# KiCad board pcb.kicad_pcb (continued)
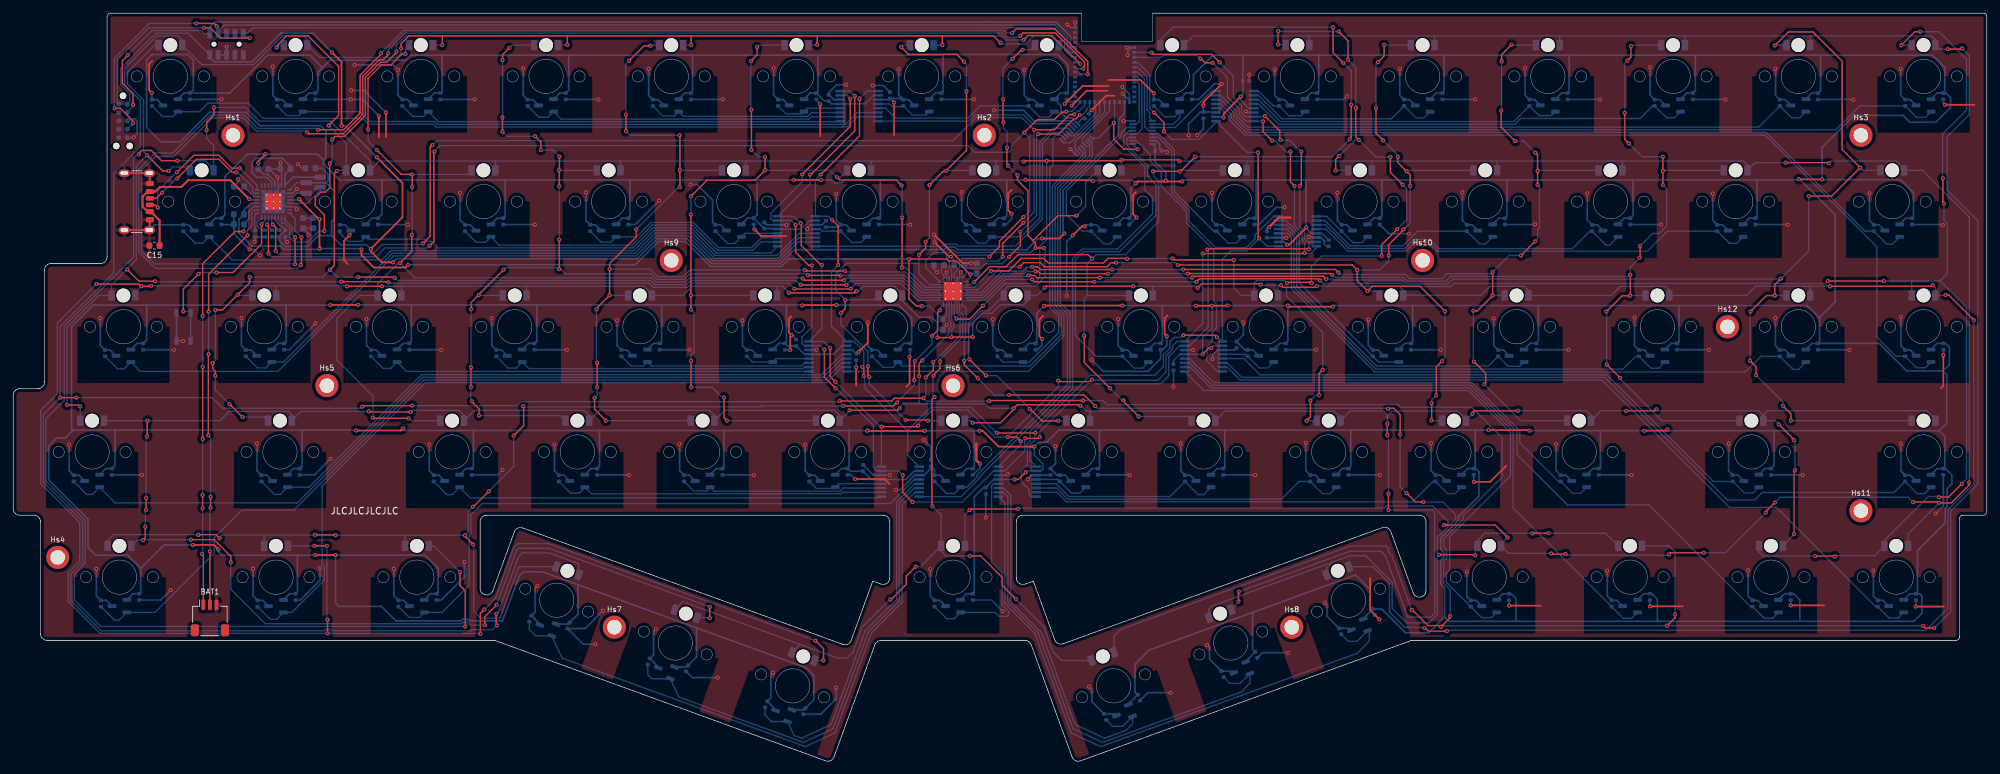
[diagram p0: board, top side]
## Routing (per net, layer and track width the routed paths; a pad name or vN(x,y) marks a point on that pad's centre or on a via; arc(x,y) is an arc through that point) (continued)
/NRESET: length 160.4
  Top w0.2: v1(28.94,111.25) 29.94,111.25 31.48,109.71 v1(35.91,109.71)
  Bottom w0.2: v1(35.91,109.71) 35.58,109.71 JTAG1.10 35.48,110.38 36.35,111.25 147.07,111.25 147.07,111.26 148.07,111.26 148.07,111.25 157.88,111.25 159.54,109.6 159.54,107.84 160.6,106.78 M1.7 ; v1(28.94,111.25) 20.57,111.25 15.79,106.47 15.79,99.91 JTAG2.10
/SCL: length 181.6
  Top w0.2: v1(38.52,81.39) 38.61,81.39 38.73,81.27 v1(38.73,77) ; v1(159.79,98.53) 159.71,98.45 159.09,98.45 157.98,97.34 155.39,97.34 v1(153.41,95.36) ; v1(63.19,78.2) 63.83,78.84 63.83,92.39 v1(63.91,92.47) ; v1(148.11,76.51) 149.64,78.04 149.64,78.88 v1(153.3,82.54)
  Bottom w0.2: PMIC1.14 38.73,81.59 v1(38.52,81.39) 38.52,81.32 R1.2 ; v1(148.11,76.51) 147.88,76.74 142.92,76.74 142.49,77.17 142,77.17 141.62,76.79 141.62,76.07 142.04,75.65 142.04,74.78 142.4,74.42 LEDDR1.28 ; v1(38.73,77) 39.22,76.51 48.58,76.51 48.62,76.47 52.7,76.47 52.74,76.51 55.05,76.51 56.38,77.84 62.83,77.84 v1(63.19,78.2) ; M1.17 161.85,99.83 160.6,98.58 159.84,98.58 v1(159.79,98.53) ; v1(153.3,82.54) 154.23,83.47 154.23,94.54 v1(153.41,95.36) 153.41,95.35 151.46,93.4 151.46,92.8 151.03,92.37 145.86,92.37 144.86,93.37 64.73,93.37 63.91,92.55 v1(63.91,92.47)
/SDA: length 180
  Top w0.2: v1(154.88,95.78) 157.99,95.78 160.31,98.1 v1(160.98,98.1) ; v1(39.37,81.41) 39.83,80.96 39.83,77.38 v1(39.82,77.37) ; v1(63.6,93.47) 63.26,93.13 63.26,79.62 v1(62.17,78.53) ; v1(150.14,76.53) 150.14,78.53 v1(153.28,81.67)
  Bottom w0.2: v1(153.28,81.67) 154.88,83.27 v1(154.88,95.78) 153.03,97.63 146.08,97.63 142.59,94.14 64.32,94.14 63.65,93.47 v1(63.6,93.47) ; LEDDR1.29 142.8,74.03 143.59,74.82 143.59,75.72 144.14,76.27 147.43,76.27 147.84,75.86 149.47,75.86 v1(150.14,76.53) ; v1(160.98,98.1) 161.48,98.6 161.72,98.6 162.6,99.48 M1.18 ; v1(62.17,78.53) 62.02,78.38 56.01,78.38 54.61,76.98 40.21,76.98 v1(39.82,77.37) ; PMIC1.13 39.23,81.56 v1(39.37,81.41) 39.44,81.41 R2.2
/SW0: length 998.5
  Top w0.2: 84.08,110.03 102.88,110.03 ; 84.08,110.03 65.11,110.03 ; 84.08,110.03 v1(84.08,108.68) ; 102.88,110.03 102.86,110.01 v1(102.86,108.65) ; 102.88,110.03 122.01,110.03 ; v1(125.41,54.61) 133.28,54.61 133.71,55.04 v1(138.12,55.04) ; v1(139.61,60.55) 139.61,59.33 v1(138.48,58.2) ; v1(293.51,108.03) 295.61,108.03 v1(295.71,108.13) ; 65.11,110.03 65.11,108.64 v1(65.09,108.62) ; 65.11,110.03 60.04,110.03 58.85,108.84 v1(58.85,108.16) ; v1(60.56,53.91) 53.1,53.91 v1(52.95,53.76) ; v1(252.16,22.24) 252.16,21.71 v1(250.96,20.51) ; 140.98,110.03 148.75,110.03 v1(149.8,108.98) ; 140.98,110.03 v1(140.98,108.66) ; 140.98,110.03 122.01,110.03 ; v1(73.29,22.32) 73.29,20.65 v1(73.39,20.55) ; v1(162.36,54.69) 148.15,54.69 v1(148.05,54.59) ; 122.01,110.03 121.99,110.01 v1(121.99,108.66) ; v1(9.61,55.12) v1(7.12,55.12) ; v1(218.03,21.96) 218.03,21.74 v1(216.63,20.33) 216.43,20.53 214.66,20.53 212.3,22.89 v1(212.19,22.89) ; v1(291.47,20.15) 290.13,20.15 v1(289.78,20.5)
  Bottom w0.2: 73.72,22.86 73.43,22.07 73.4,22.07 ; D13.2 253.65,109.97 253.71,110.03 ; v1(291.47,20.15) 293.96,22.64 293.96,37.89 298.09,42.02 298.09,81.96 293.43,86.62 293.43,94.71 296.79,98.07 296.79,107.05 v1(295.71,108.13) ; D11.2 215.65,110 215.68,110.03 ; v1(138.48,58.2) 138.48,55.4 v1(138.12,55.04) 138.57,54.59 v1(148.05,54.59) ; v1(102.86,108.65) 102.84,108.63 D5.2 ; 272.7,110.03 272.65,109.98 D14.2 ; 272.7,110.03 253.71,110.03 ; 272.7,110.03 291.05,110.03 291.65,109.43 D15.2 292.25,108.03 v1(293.51,108.03) ; v1(252.16,22.24) 252.16,31.71 251.24,32.63 D70.2 ; v1(212.19,22.89) 209.17,31.19 208.69,31.67 208.69,32.2 208.28,32.6 202.8,32.6 168.04,19.95 167.02,18.93 D66.2 ; D9.2 179.05,110.03 196.63,110.03 ; 196.63,110.03 215.68,110.03 ; 196.63,110.03 196.65,110.01 D10.2 ; 215.68,110.03 234.67,110.03 ; 253.71,110.03 234.67,110.03 ; v1(149.8,108.98) 149.98,108.8 153.62,108.8 153.62,108.81 154.84,110.03 157.43,110.03 158.65,108.81 D8.2 ; D3.2 65.08,108.63 v1(65.09,108.62) ; v1(140.98,108.66) 140.95,108.63 D7.2 ; 234.67,110.03 234.65,110.01 D12.2 ; LEDDR1.11 143.2,67.95 143.77,67.38 143.77,66.84 143.66,66.73 143.66,64.52 139.69,60.55 v1(139.61,60.55) ; v1(84.08,108.68) 84.03,108.63 D4.2 ; v1(218.03,21.96) 218.03,25.95 217.02,26.96 217.02,30.27 217.48,30.72 217.48,32 217.02,32.45 217.02,33.66 219.97,36.61 219.97,37.16 225.91,43.1 225.91,49.05 221.29,53.67 210.57,53.67 210.17,54.07 165.95,54.07 165.33,54.69 v1(162.36,54.69) ; v1(73.29,22.32) 73.69,22.72 73.69,22.79 76.68,31.01 77.23,31.56 81.29,31.56 85.76,29.93 85.79,29.9 D62.2 ; v1(216.63,20.33) 216.63,20.48 216.65,20.51 v1(250.96,20.51) 289.77,20.51 v1(289.78,20.5) ; v1(60.56,53.91) 76.5,53.91 77.09,54.5 125.3,54.5 v1(125.41,54.61) ; D6.2 121.96,108.63 v1(121.99,108.66) ; v1(73.39,20.55) 72.75,19.91 69.6,19.91 69.43,19.74 48.25,19.74 48,19.99 47.46,19.99 47.21,19.74 13.36,19.74 8.75,24.35 8.75,28.38 10.53,30.16 10.53,36.35 4.56,42.31 4.56,52.56 v1(7.12,55.12) 7.12,65.9 15.26,74.04 15.26,89.17 19.29,93.2 19.29,100.21 16.92,102.58 16.92,105.15 21.8,110.03 25.05,110.03 25.65,109.43 D1.2 28.61,105.67 36.48,105.67 40.84,110.03 44.05,110.03 44.65,109.43 D2.2 46.52,106.75 50.21,106.75 50.22,106.75 52.14,106.75 52.15,106.75 58.2,106.75 58.83,107.38 58.83,108.14 v1(58.85,108.16) ; v1(52.95,53.76) 52.7,53.51 31.81,53.51 30.2,55.12 v1(9.61,55.12)
/SW1: length 721.6
  Top w0.2: v1(265.93,37.7) 265.93,37.85 v1(267.29,39.21) ; v1(67.79,28.65) 67.79,26.59 68.59,25.79 v1(68.59,20.39) ; v1(226.74,33.9) 224.84,35.8 217.65,35.8 217.62,35.77 217.44,35.77 217.41,35.73 217.29,35.73 217.29,35.73 217.17,35.73 217.15,35.75 217.09,35.75 v1(217.07,35.78) ; v1(19.05,92.04) 19.05,92.22 19.47,92.64 20.96,92.64 22.51,91.09 v1(24.91,91.09) ; v1(29.36,95.74) 29.36,96.94 30.45,98.03 v1(30.45,99.18) ; v1(275.5,90.7) 275.41,90.79 v1(268.91,90.79) ; v1(251.23,31.33) 251.48,31.58 v1(256.52,31.58) ; v1(153.33,90.96) 153.44,91.07 v1(156.81,91.07) 168.01,91.07 v1(168.16,91.22) 176.76,91.22 v1(176.98,91) ; v1(143.12,67.11) 143.19,67.04 145.1,67.04 v1(147.14,69.09) ; v1(296.79,42.25) 296.79,41.88 294.07,39.16 v1(292.22,39.16) 292.07,39.3 288.3,39.3 v1(288.26,39.26) ; v1(233.36,31.49) 233.5,31.35 235.48,31.35 v1(235.53,31.4) ; v1(152.47,38.22) 145.25,38.22 v1(145.08,38.05)
  Bottom w0.2: 225.15,91.03 206.1,91.03 ; 225.15,91.03 244.15,91.03 ; 225.15,91.03 D26.2 ; 206.1,91.03 206.15,90.98 D25.2 ; 206.1,91.03 187.23,91.03 ; v1(24.91,91.09) 29.12,91.09 30.4,89.81 D16.2 30.4,93.41 29.36,94.45 v1(29.36,95.74) ; v1(143.12,67.11) 142.8,67.43 LEDDR1.12 ; 130.1,91.03 149.11,91.03 ; 130.1,91.03 111.13,91.03 ; 130.1,91.03 130.15,90.98 D21.2 ; 149.11,91.03 153.26,91.03 v1(153.33,90.96) ; 149.11,91.03 149.15,90.99 D22.2 ; v1(267.29,39.21) 268.08,40 287.52,40 v1(288.26,39.26) ; 111.13,91.03 111.15,91.01 D20.2 ; 111.13,91.03 92.18,91.03 ; v1(68.59,20.39) 13.3,20.39 9.3,24.39 9.3,28.37 10.93,30 10.93,36.52 4.96,42.48 4.96,51.92 7.74,54.7 7.74,65.95 18.27,76.48 18.27,80.5 18.25,80.52 18.25,91.42 18.87,92.04 v1(19.05,92.04) ; v1(256.52,31.58) 259.81,31.58 v1(265.93,37.7) ; 92.18,91.03 92.15,91 D19.2 ; 92.18,91.03 73.17,91.03 ; v1(145.08,38.05) 144.4,37.37 D65.2 ; v1(296.79,42.25) 296.79,82.53 289.69,89.63 D29.2 286.9,89.81 285.68,91.03 275.83,91.03 v1(275.5,90.7) ; v1(168.16,91.22) 168.15,91.21 D23.2 ; D72.2 287.5,34.44 v1(292.22,39.16) ; 73.17,91.03 73.15,91.01 D18.2 ; 73.17,91.03 55.55,91.03 D17.2 ; v1(217.07,35.78) 217.09,35.75 217.15,35.75 217.17,35.73 217.29,35.73 217.29,35.73 217.33,35.73 217.81,36.22 215.35,38.68 208.34,38.68 208.02,38.36 152.61,38.36 v1(152.47,38.22) ; 187.23,91.03 187.15,90.95 D24.2 ; 187.23,91.03 177.01,91.03 v1(176.98,91) ; v1(268.91,90.79) 264.31,90.79 D28.2 263.15,90.43 262.55,91.03 244.15,91.03 ; v1(67.79,28.65) 63.8,32.63 D61.2 ; 244.15,91.03 D27.2 ; v1(147.14,69.09) 150.51,72.45 154.83,72.45 155.76,73.38 155.76,78.08 156.81,79.13 v1(156.81,91.07) ; v1(251.23,31.33) 251.12,31.22 235.71,31.22 v1(235.53,31.4) ; v1(226.74,33.9) 225.75,32.91 D69.2 226.89,31.49 v1(233.36,31.49) ; 54.15,90.43 54.15,91.06 48.1,97.11 37.31,97.11 35.24,99.18 v1(30.45,99.18)
/SW2: length 674
  Top w0.2: v1(189.28,72.27) 189.15,72.4 180.32,72.4 v1(179.7,71.78) ; v1(156.51,71.82) 156.72,72.03 v1(169.97,72.03) ; v1(121.72,18.24) 122.95,17.01 v1(122.95,15.23) ; v1(214.1,20.18) 214.24,20.18 214.74,19.68 v1(217.54,19.68) ; v1(70.88,19.27) 70.88,22.37 v1(71.49,22.98) ; v1(192.36,72.18) 192.66,71.88 197.61,71.88 v1(197.8,72.07) ; v1(12.62,72.36) 19.12,72.36 v1(19.44,72.04) 20.87,72.04 v1(20.93,72.1) ; v1(297.49,66.89) 293.67,70.71 v1(293.19,70.71) ; v1(145.61,64.32) 142.37,64.32 v1(142.37,64.3) 142.31,64.24 v1(140.22,64.24) ; v1(47.6,32.63) 47.59,32.64 v1(45.68,32.64) ; v1(47.73,19.34) 47.69,19.38 v1(47.69,21.42) ; v1(291.26,72.19) 291.1,72.03 275.68,72.03 v1(275.66,72.01) ; v1(50.67,72.01) 50.69,72.03 v1(55.95,72.03) ; v1(127.93,71.28) 127.67,71.02 117.74,71.02 v1(117.72,71.04)
  Bottom w0.2: v1(275.66,72.01) 275.6,72.07 275.13,72.07 275.11,72.05 272.71,72.05 ; v1(70.88,19.27) 70.81,19.34 v1(47.73,19.34) 47.38,19.34 47.38,19.34 13.19,19.34 8.35,24.18 8.34,24.19 8.34,28.54 8.35,28.55 8.35,28.55 10.1,30.3 10.1,36.17 4.16,42.11 4.16,53.17 6.69,55.7 6.69,66.43 v1(12.62,72.36) ; D31.2 39.9,72.03 39.83,72.1 ; 84.88,31.65 81.26,32.97 76.56,32.97 75.97,32.38 73.18,24.7 73.18,24.67 v1(71.49,22.98) ; v1(145.61,64.32) 145.57,64.36 145.57,66.48 147.02,67.93 148.48,67.93 149.77,69.23 153.3,69.23 153.9,69.83 D37.2 155.32,70.63 v1(156.51,71.82) ; 84.8,31.68 v1(121.72,18.24) ; D39.2 191.9,72.1 191.82,72.18 ; v1(297.49,66.89) 297.49,42.04 293.55,38.1 293.55,23.17 290.19,19.81 217.67,19.81 v1(217.54,19.68) ; D60.2 45.67,32.63 v1(45.68,32.64) ; 172.93,72.03 172.9,72 D38.2 ; 172.93,72.03 v1(169.97,72.03) ; 172.93,72.03 179.45,72.03 v1(179.7,71.78) ; v1(19.44,72.04) 18.52,71.12 D30.2 ; v1(140.22,64.24) 140.22,66.48 139.37,67.33 137.4,67.33 134.9,69.83 D36.2 ; D32.2 58.9,72 58.87,72.03 ; LEDDR1.13 142.4,66.91 142.7,66.61 142.7,65.74 142.4,65.44 142.4,64.33 v1(142.37,64.3) ; 115.88,72.03 115.9,72.01 D35.2 ; 115.88,72.03 116.73,72.03 v1(117.72,71.04) ; 115.88,72.03 103.03,72.03 101.63,70.63 D34.2 96.9,70.81 95.68,72.03 77.87,72.03 ; v1(214.1,20.18) 214.02,20.25 211.15,20.25 208.82,22.58 208.82,26.95 206.31,29.46 D68.2 ; v1(291.26,72.19) 291.65,71.8 D44.2 293.11,70.63 v1(293.19,70.71) ; v1(189.28,72.27) 189.37,72.18 191.82,72.18 ; 191.82,72.18 v1(192.36,72.18) ; 77.87,72.03 58.87,72.03 ; 77.87,72.03 77.9,72 D33.2 ; v1(127.93,71.28) 128.21,71.28 128.96,72.03 133.68,72.03 134.9,70.81 ; D64.2 122.95,15.23 v1(122.95,15.23) ; v1(20.93,72.1) 39.83,72.1 ; 39.83,72.1 50.58,72.1 v1(50.67,72.01) ; 58.87,72.03 v1(55.95,72.03) ; v1(47.69,21.42) 47.6,21.51 47.6,27.28 47.62,27.3 47.62,29.71 47.6,29.73 v1(47.6,32.63) ; D43.2 272.65,72.01 272.61,72.05 264.39,72.05 262.97,70.63 D42.2 251.28,71.43 250.67,72.03 248.03,72.03 248.01,72.01 243.87,72.01 242.49,70.63 D41.2 229.9,71.43 229.3,72.03 224.09,72.03 222.74,70.68 210.95,70.68 D40.2 210.9,71.43 210.28,72.05 198.56,72.05 198.54,72.07 v1(197.8,72.07)
/SW3: length 556.4
  Top w0.2: v1(145.57,51.32) 149.8,51.32 151.81,53.33 v1(151.81,53.5) 152.35,54.04 161.76,54.04 v1(161.9,53.9) ; v1(208.48,49.44) 208.48,51.1 v1(208.52,51.14) ; v1(134.51,53.53) 134.19,53.21 v1(126.9,53.21) ; v1(33.01,30.14) 33.01,31.06 30.5,33.57 v1(26.96,33.57) ; v1(20.38,51.63) 20.32,51.57 v1(20.32,49.24) ; v1(20.16,38.1) v1(20.16,39.89) ; v1(267.89,51.07) 270.17,48.79 v1(270.17,48.67) ; v1(249.32,53.36) 249.1,53.14 244.71,53.14 v1(244.69,53.12) ; v1(53.96,53.03) 54.04,52.95 v1(60.3,52.95) ; v1(228.32,53.14) 221.71,53.14 221.41,52.84 v1(221.41,52.69) ; v1(185.91,24.19) 185.91,25.62 v1(185.96,25.67) ; v1(137.46,58.39) 137.46,60.31 v1(137.94,60.79) ; v1(208.66,38.08) v1(208.66,40.56) ; v1(270.35,44.14) 270.2,43.99 v1(270.2,34.42) ; v1(105.69,21.66) 105.69,23.34 v1(105.71,23.36) ; v1(19.71,33.48) 20.04,33.81 v1(20.04,35.54) ; v1(73.34,23.65) 71.56,21.87 v1(71.56,20.59)
  Bottom w0.2: D59.2 18.77,33.48 v1(19.71,33.48) 19.8,33.57 v1(26.96,33.57) ; v1(145.57,51.32) 145.26,51.63 D51.2 ; D67.2 185.91,24.05 v1(185.91,24.19) ; 137.52,54.18 135,54.18 134.51,53.69 v1(134.51,53.53) ; 137.52,54.18 147.54,54.18 148.22,53.5 v1(151.81,53.5) ; 137.52,54.18 137.46,54.24 v1(137.46,58.39) ; v1(71.56,20.59) 69.31,20.59 68.86,21.04 68.32,21.04 68.1,20.82 38.24,20.82 33.01,26.05 v1(33.01,30.14) ; v1(73.34,23.65) 76.33,31.87 76.73,32.27 81.25,32.27 v1(105.71,23.36) ; D71.2 270.2,34.33 v1(270.2,34.42) ; v1(105.69,21.66) 105.62,21.73 D63.2 ; D52.2 163.4,53.07 163.42,53.09 ; D57.2 265.53,52.52 266.14,53.14 290.32,53.14 291.65,51.81 D58.2 ; D57.2 265.53,52.44 264.83,53.14 249.55,53.14 v1(249.32,53.36) ; D57.2 267.33,51.63 v1(267.89,51.07) ; v1(208.48,49.44) 208.66,49.26 v1(208.66,40.56) ; v1(244.69,53.12) 244.67,53.14 240.91,53.14 D56.2 239.4,52.42 238.68,53.14 v1(228.32,53.14) ; v1(53.96,53.03) 43.68,53.03 D46.2 42.27,52.57 41.81,53.03 32.78,53.03 31.38,51.63 v1(20.38,51.63) D45.2 ; v1(137.94,60.79) 142,64.85 142,65.6 142.3,65.9 142.3,66.44 142,66.75 LEDDR1.14 ; v1(60.3,52.95) 60.55,53.2 67.63,53.2 68.4,52.43 D47.2 69.97,53.2 86.63,53.2 87.4,52.43 D48.2 88.94,53.17 88.94,53.2 105.64,53.2 106.4,52.44 D49.2 107.97,53.2 124.63,53.2 125.4,52.43 D50.2 126.9,53.13 v1(126.9,53.21) 126.89,53.2 ; v1(161.9,53.9) 162.04,53.9 162.85,53.09 163.42,53.09 ; v1(20.16,38.1) 20.04,37.98 v1(20.04,35.54) ; 163.42,53.09 181.44,53.09 182.4,52.13 D53.2 183.86,53.09 200.37,53.09 201.4,52.06 D54.2 202.86,53.09 207.94,53.09 208.52,52.51 v1(208.52,51.14) 208.52,52.43 209.18,53.09 219.12,53.09 220.4,51.81 D55.2 221.41,52.64 v1(221.41,52.69) ; v1(270.17,48.67) 270.35,48.49 v1(270.35,44.14) ; v1(185.96,25.67) 202.84,31.81 207.48,31.81 208.2,31.09 209.57,27.33 209.62,27.28 209.62,27.19 211.58,21.81 215.08,21.81 215.67,22.4 215.67,37.75 215.34,38.08 v1(208.66,38.08) ; v1(20.32,49.24) 20.16,49.08 v1(20.16,39.89)
/SWDCLK: length 165.7
  Top w0.2: v1(18.17,96.78) 18.17,97.12 16.25,99.04 v1(15.39,99.04) ; v1(27.78,111.93) 30.47,111.93 v1(30.91,111.49)
  Bottom w0.2: v1(30.91,111.49) 31.1,111.3 JTAG1.4 31.1,110.75 ; JTAG2.4 18.17,96.74 v1(18.17,96.78) ; v1(27.78,111.93) 20.68,111.93 15.33,106.58 15.33,99.1 v1(15.39,99.04)
  Bottom w0.25: M1.6 160.55,107.53 159.97,108.12 159.97,109.78 158.06,111.68 148.25,111.68 148.24,111.68 146.9,111.68 146.89,111.68 32.03,111.68 31.1,110.75 JTAG1.4
/SWDIO: length 159.4
  Top w0.2: v1(17.39,107.15) 17.39,107.08 16.57,106.26 16.57,102.87 16.56,102.86 18.19,101.23 v1(18.19,99.6)
  Bottom w0.2: JTAG1.2 28.95,110.38 28.5,110.83 21.07,110.83 v1(17.39,107.15) ; JTAG2.2 18.19,99.29 v1(18.19,99.6)
  Bottom w0.25: JTAG1.2 29.83,111.37 30.59,112.13 146.71,112.13 146.71,112.13 148.43,112.13 148.43,112.13 158.25,112.13 160.41,109.96 160.41,108.42 160.55,108.28 M1.5
/VOUT2: length 21.3
  Bottom w0.25: L2.1 42.48,88.59 PMIC1.32 41.22,89 C22.1 42.09,90.2 40.84,91.45 36.84,91.45 36.26,90.87 36.26,89.26 36.95,88.57 38.44,88.57 39.23,87.78 PMIC1.28
/VSYS: length 154.9
  Top w0.2: v1(145.24,73.83) 145.16,73.83 143.12,75.87 142,75.87 141.7,76.17 v1(135.91,76.17) 135.91,70.12 137.02,69.01 v1(137.87,69.01)
  Top w0.25: v1(46.51,77.74) 46.47,77.78 46.47,82.21 v1(46.49,82.23) 46.38,82.23 43.39,85.22 v1(43.39,85.28) ; v1(59.9,75.29) 59.49,74.88 54.73,74.88 52.84,76.77 v1(52.84,77.63)
  Bottom w0.2: C31.1 145.38,73.96 v1(145.24,73.83) 145.24,73.34 LEDDR1.1 ; LEDDR1.15 141.6,67.59 C32.1 139.03,69.01 v1(137.87,69.01)
  Bottom w0.25: PMIC1.20 36.08,84.63 35.02,83.57 35.02,83.1 ; v1(135.91,76.17) 117.73,76.17 116.58,75.02 105.82,75.02 102.02,78.82 97.93,78.82 94.89,75.78 94.89,75.78 94.4,75.29 v1(59.9,75.29) ; v1(46.49,82.23) 46.34,82.38 C7.1 45.52,82.37 C6.1 ; v1(43.39,85.28) 43.24,85.13 PMIC1.4 ; v1(52.84,77.63) 52.73,77.74 v1(46.51,77.74) 46.4,77.62 41.08,77.62 40.58,78.12 36.23,78.12 34.26,80.1 34.27,80.11 34.27,82.19 35.02,82.94 C8.1
Net-(BAT1-NTC): length 63.5
  Top w0.2: BAT1.2 29.85,31.77 v1(29.84,31.78) ; v1(29.61,49.4) 29.61,61.69 v1(29.64,61.72) ; v1(29.64,68.18) 29.65,68.19 29.65,73.86 v1(35.55,79.76) ; v1(29.94,38.42) 29.95,38.43 v1(29.95,40.08)
  Bottom w0.2: v1(35.55,79.76) 35.55,80.57 36.23,81.25 36.23,83.25 36.61,83.63 PMIC1.18 ; v1(29.95,40.08) 29.95,49.06 v1(29.61,49.4) ; v1(29.84,31.78) 29.84,38.32 v1(29.94,38.42) ; v1(29.64,68.18) v1(29.64,61.72)
Net-(BAT1-VBAT): length 64.9
  Top w0.2: v1(28.74,40.36) v1(28.74,38.33) ; v1(28.75,67.53) 28.75,75.43 33.66,80.34 v1(34.95,80.34) ; v1(28.75,59.78) v1(28.75,48.84) ; v1(28.68,31.41) 28.85,31.24 BAT1.1
  Bottom w0.2: v1(28.68,31.41) 28.74,31.47 v1(28.74,38.33) ; v1(28.74,40.36) 28.74,48.83 v1(28.75,48.84) ; v1(28.75,67.53) v1(28.75,59.78) ; C28.1 35.04,80.43 v1(34.95,80.34)
  Bottom w0.25: PMIC1.19 36.51,84.13 35.8,83.42 35.8,82.3 35.07,81.57 35.03,81.57
Net-(LEDDR1-VCAP): length 2.3
  Bottom w0.2: C30.2 140.83,74.81 140.83,74.07 141.2,73.7 LEDDR1.25
Net-(PMIC1-CC1): length 21.3
  Top w0.2: v1(24.88,88.38) 27.8,91.3 31.23,91.3 33.22,89.31 v1(33.84,89.31) ; USB1.A5 21.74,85.38 v1(22.61,86.25)
  Bottom w0.2: PMIC1.23 36.61,86.13 36.32,86.41 36.32,87.08 34.1,89.31 v1(33.84,89.31) ; v1(24.88,88.38) 24.74,88.38 v1(22.61,86.25)
Net-(PMIC1-CC2): length 23.8
  Top w0.2: v1(24.84,89.33) 27.42,91.91 31.19,91.91 33.14,89.96 v1(34.39,89.96) ; USB1.B5 21.53,84.38 v1(21.94,83.97)
  Bottom w0.2: v1(21.94,83.97) 21.94,86.5 24.77,89.33 v1(24.84,89.33) ; PMIC1.24 37.02,87.32 v1(34.39,89.96)
Net-(PMIC1-SHPHLD): length 27.8
  Top w0.2: v1(25.82,68.2) 25.82,71.59 v1(28.14,73.91) ; v1(30.85,74.12) 33.35,74.12 37.69,78.46 v1(37.69,81.48)
  Bottom w0.2: v1(28.14,73.91) 28.35,74.12 v1(30.85,74.12) ; v1(25.82,68.2) 26.76,68.2 SW1.2 SW1.2 ; v1(37.69,81.48) 38.23,82.01 PMIC1.15
Net-(PMIC1-SW1): length 2.8
  Bottom w0.2: L1.2 43,86.15 42.48,85.63 PMIC1.3
Net-(PMIC1-SW2): length 5.8
  Bottom w0.2: L2.2 46.56,86.59 44.6,84.63 PMIC1.5
Net-(PMIC1-VBUS): length 28.4
  Top w0.3: v1(35.81,85.26) 32.94,88.13 26.54,88.13 25.52,87.11 22.26,87.11 21.55,86.4 USB1.B9 20.4,86.4 19.65,85.65 19.65,84.11 20.4,83.36 USB1.A9 20.88,83.36 22.21,82.03 C15.1
  Bottom w0.3: v1(35.81,85.26) 35.94,85.13 PMIC1.21
Net-(PMIC1-VBUSOUT): length 2.7
  Bottom w0.2: C14.1 35.92,86.26 35.92,86.25 36.54,85.63 PMIC1.22
Net-(PMIC1-VSET1): length 2.8
  Bottom w0.2: R3.2 36.74,80.92 36.63,81.04 36.63,82.73 PMIC1.17
Net-(PMIC1-VSET2): length 3
  Bottom w0.2: PMIC1.16 37.03,81.73 37.03,81.2 37.69,80.54 R4.2

## Copper pours and planes (outline as drawn; the poured copper is in the pictures)
GND on Top: -5.07,117.75 304.05,117.71 304.37,-22.66 -7.61,-22.78

Small or netless copper shapes (teardrops, artwork), in the pictures only: 654 on Top, 2134 on Bottom
